# Altium PCB STM32H743VIT6_Test_B'd.PcbDoc (part 1 of 2) (continued)
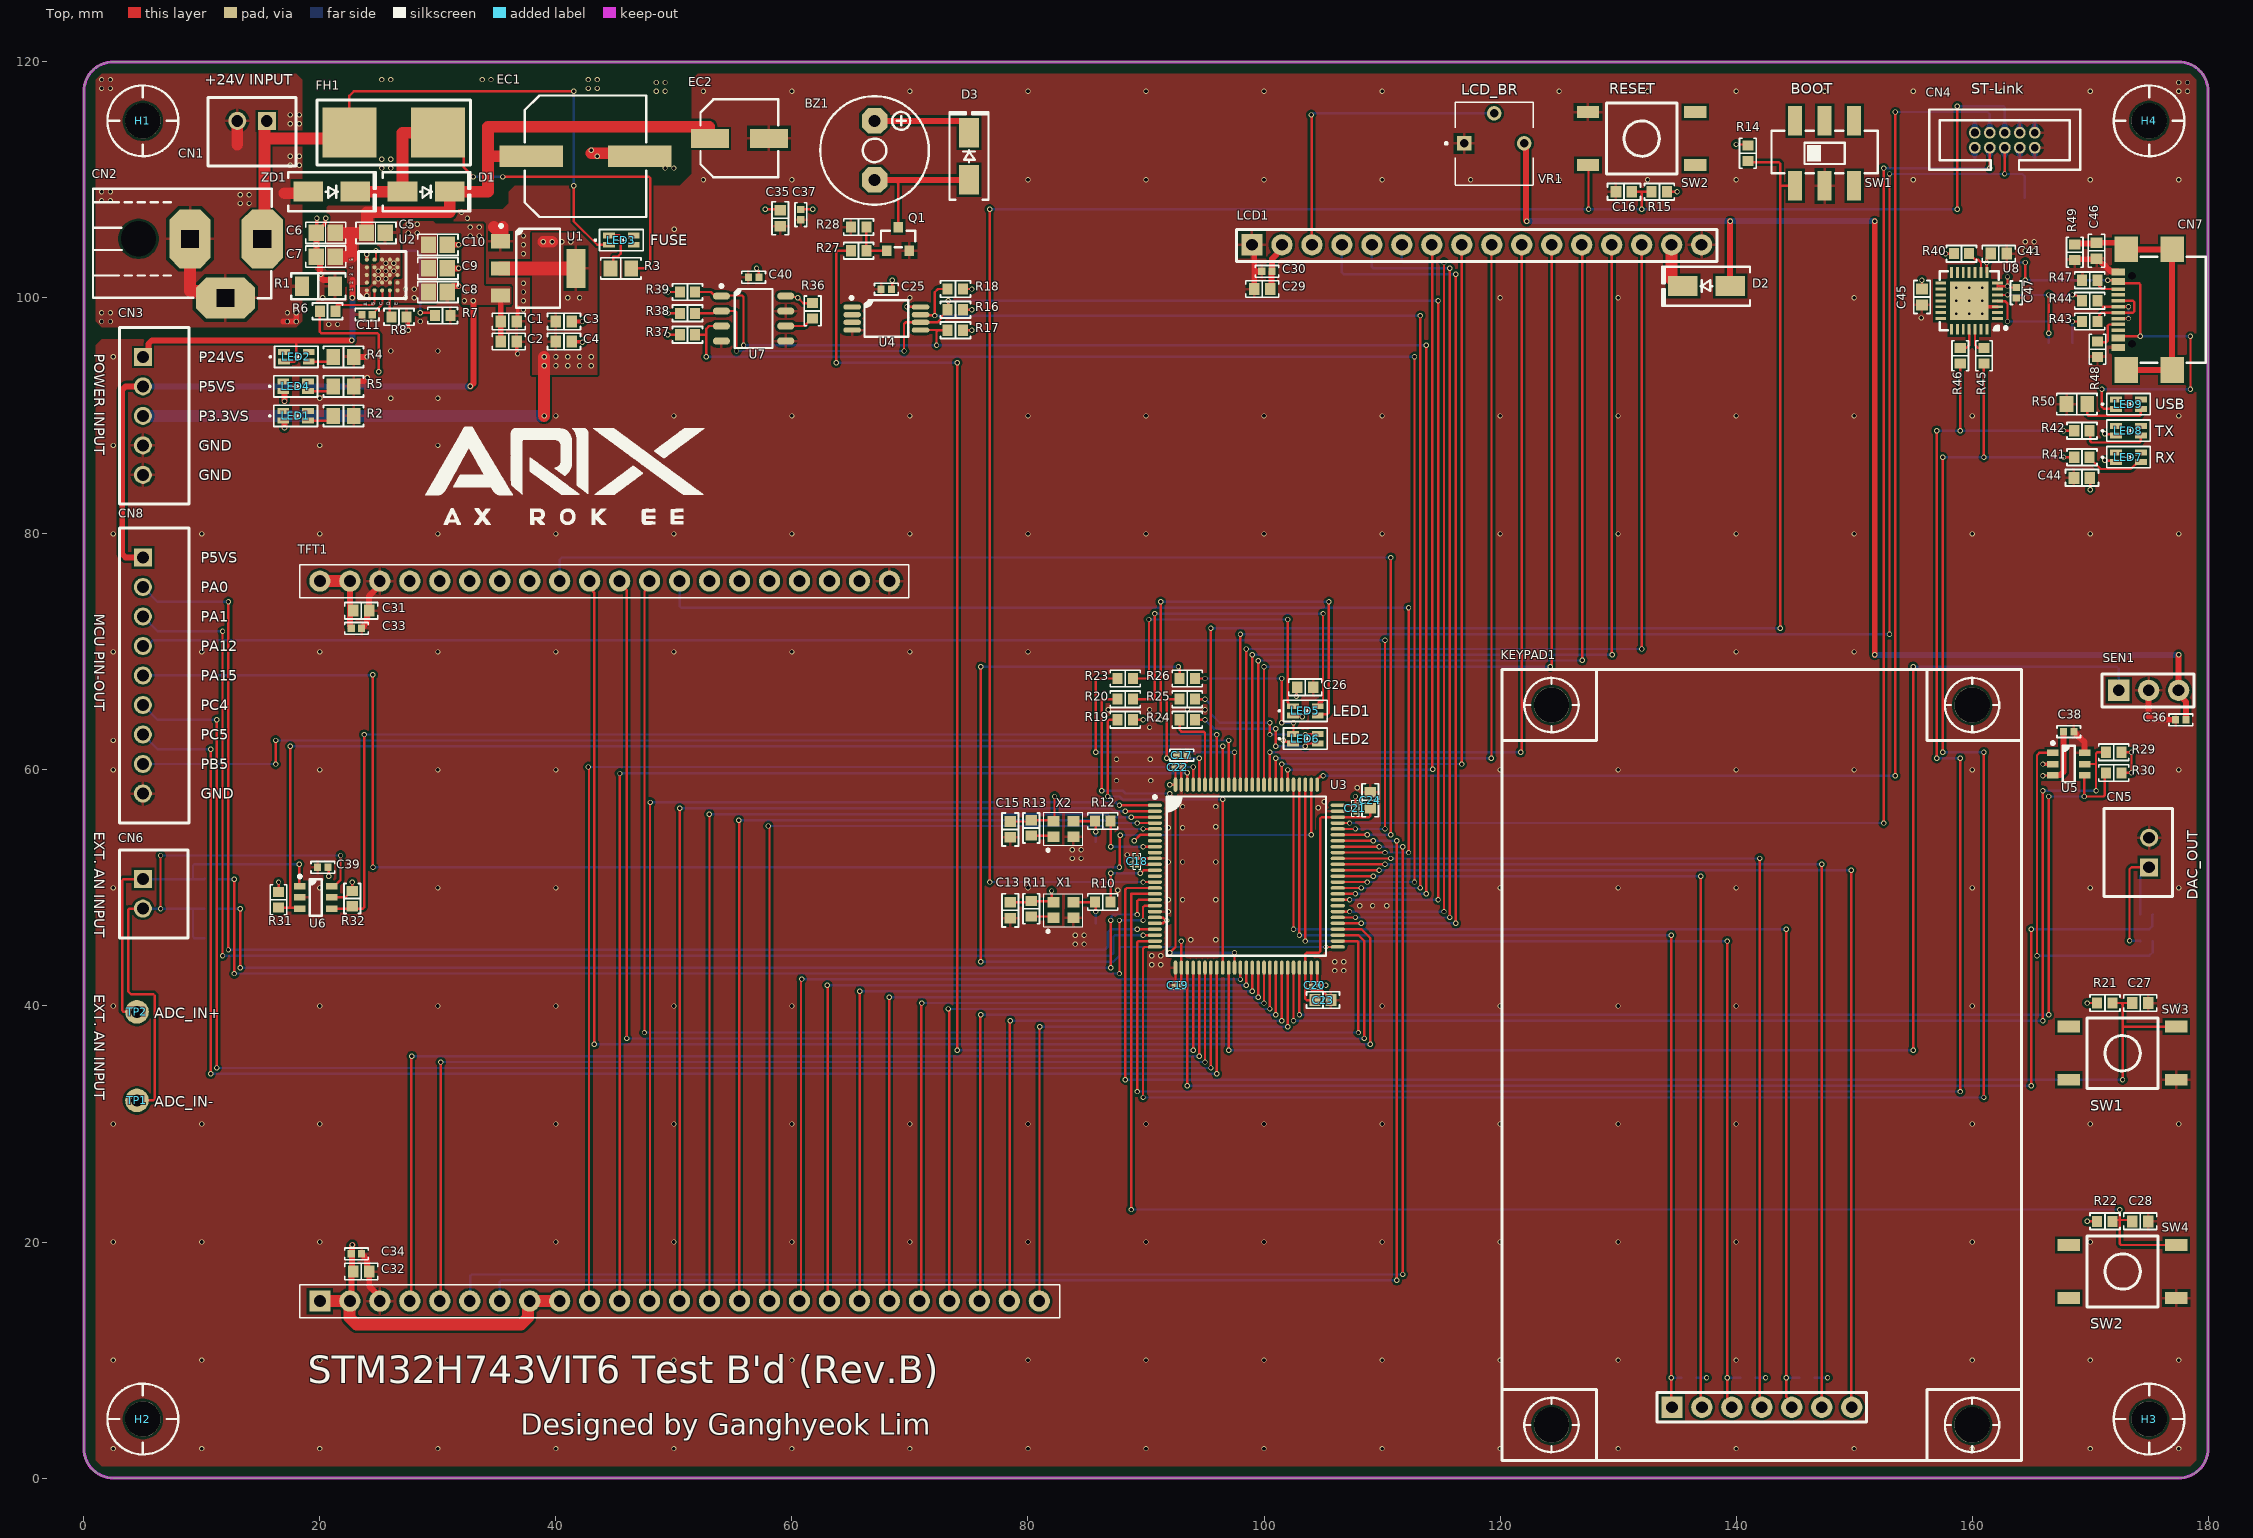
[diagram p0: Top view]
## Components (designator, comment, footprint, x,y, rotation, side; value= is the part's Value field where it differs from the comment)
BZ1 "FQ-014" "BUZ FQ-013" 67,112.5 r90 top
C1 "10uF/10V/1608" "CAP 1608 (0603_INCH)" 36,98 r180 top
C2 "100nF/50V/1608" "CAP 1608 (0603_INCH)" 36,96.3 r180 top
C3 "100nF/50V/1608" "CAP 1608 (0603_INCH)" 40.675,98 r180 top
C4 "10uF/10V/1608" "CAP 1608 (0603_INCH)" 40.675,96.3 r180 top
C5 "10uF/50V/2012" "CAP 2012 (0805_INCH)" 24.75,105.5 r180 top
C6 "2.2uF/50V/2012" "CAP 2012 (0805_INCH)" 20.5,105.5 r0 top
C7 "100nF/50V/2012" "CAP 2012 (0805_INCH)" 20.5,103.5 r0 top
C8 "100nF/50V/2012" "CAP 2012 (0805_INCH)" 30,100.5 r180 top
C9 "2.2uF/50V/2012" "CAP 2012 (0805_INCH)" 30,102.5 r180 top
C10 "10uF/50V/2012" "CAP 2012 (0805_INCH)" 30,104.5 r180 top
C11 "100nF/16V/1005" "CAP 1005 (0402_INCH)" 24,98.59 r0 top
C12 "15pF/16V/1608/NC" "CAP 1608 (0603_INCH)/NC" 85.75,46.35 r90 bottom
C13 "100nF/50V/1608" "CAP 1608 (0603_INCH)" 78.5,48.103 r90 top
C14 "15pF/16V/1608/NC" "CAP 1608 (0603_INCH)/NC" 85.737,53.254 r90 bottom
C15 "100nF/50V/1608" "CAP 1608 (0603_INCH)" 78.5,54.959 r90 top
C16 "100nF/50V/1608" "CAP 1608 (0603_INCH)" 130.5,109 r0 top
C17 "4.7uF/10V/1005" "CAP 1005 (0402_INCH)" 93.04,61.25 r180 top
C18 "100nF/25V/0603" "CAP 0603 (0201_INCH)" 89.25,52.25 r270 top
C19 "100nF/25V/0603" "CAP 0603 (0201_INCH)" 92.69,41.75 r0 top
C20 "100nF/25V/0603" "CAP 0603 (0201_INCH)" 104.31,41.75 r0 top
C21 "100nF/25V/0603" "CAP 0603 (0201_INCH)" 107.75,56.75 r90 top
C22 "100nF/25V/0603" "CAP 0603 (0201_INCH)" 92.69,60.25 r180 top
C23 "2.2uF/16V/1608" "CAP 1608 (0603_INCH)" 105,40.5 r0 top
C24 "2.2uF/16V/1608" "CAP 1608 (0603_INCH)" 109,57.425 r90 top
C25 "100nF/16V/1005" "CAP 1005 (0402_INCH)" 68,100.75 r0 top
C26 "2.2uF/16V/1608" "CAP 1608 (0603_INCH)" 103.5,67 r0 top
C27 "100nF/50V/1608" "CAP 1608 (0603_INCH)" 174.25,40.25 r180 top
C28 "100nF/50V/1608" "CAP 1608 (0603_INCH)" 174.25,21.75 r180 top
C29 "10uF/10V/1608" "CAP 1608 (0603_INCH)" 99.85,100.75 r0 top
C30 "100nF/16V/1005" "CAP 1005 (0402_INCH)" 100.25,102.25 r0 top
C31 "10uF/10V/1608" "CAP 1608 (0603_INCH)" 23.5,73.5 r180 top
C32 "10uF/10V/1608" "CAP 1608 (0603_INCH)" 23.5,17.5 r180 top
C33 "100nF/16V/1005" "CAP 1005 (0402_INCH)" 23.1,72 r180 top
C34 "100nF/16V/1005" "CAP 1005 (0402_INCH)" 23.1,19 r180 top
C35 "10uF/10V/1608" "CAP 1608 (0603_INCH)" 59,106.75 r90 top
C36 "100nF/16V/1005" "CAP 1005 (0402_INCH)" 177.69,64.25 r0 top
C37 "100nF/16V/1005" "CAP 1005 (0402_INCH)" 60.75,107.06 r90 top
C38 "100nF/16V/1005" "CAP 1005 (0402_INCH)" 168.19,63.25 r180 top
C39 "100nF/16V/1005" "CAP 1005 (0402_INCH)" 20.25,51.75 r0 top
C40 "100nF/16V/1005" "CAP 1005 (0402_INCH)" 56.75,101.75 r0 top
C41 "1uF/50V/1608" "CAP 1608 (0603_INCH)" 162.25,103.75 r180 top
C42 "15pF/16V/1608/NC" "CAP 1608 (0603_INCH)/NC" 168.5,95.5 r90 bottom
C43 "15pF/16V/1608/NC" "CAP 1608 (0603_INCH)/NC" 166.5,95.5 r90 bottom
C44 "2.2uF/16V/1608" "CAP 1608 (0603_INCH)" 169.305,84.75 r180 top
C45 "1uF/50V/1608" "CAP 1608 (0603_INCH)" 155.75,100.075 r90 top
C46 "100nF/50V/1608" "CAP 1608 (0603_INCH)" 170.545,104 r270 top
C47 "100nF/16V/1005" "CAP 1005 (0402_INCH)" 163.75,100.44 r90 top
CN1 "0353120260" "CON 0353120260 (MOLEX)" 14.25,115 r180 top
CN2 "DC_Jack" "CON DC-Jack" 15.883,99.971 r90 top
CN3 "0353120560" "CON 0353120560 (MOLEX)" 5,90 r270 top
CN4 "3220-10-0100-00" "CON 3220-10-0100-00 (Hand_Solder)" 162.77,113.365 r0 top
CN5 "0353120260" "CON 0353120260 (MOLEX)" 175,53 r90 top
CN6 "0353120260" "CON 0353120260 (MOLEX)" 5,49.5 r270 top
CN7 "MC-311S" "CON USB-Type-C (16P)" 175,99 r90 top locked
CN8 "0353120960" "CON 0353120960 (MOLEX)" 5,68 r270 top
D1 "SS34" "DIO DO-214AC (SMA)" 29,109 r0 top
D2 "M7" "DIO DO-214AC (SMA)" 137.5,101 r180 top
D3 "M7" "DIO DO-214AC (SMA)" 75,112 r90 top
EC1 "330uF/35V/10Øx10" "CAP ALSMD 10.3MM H10.5MM LEADSPANMAX12MM" 42.5,112 r0 top
EC2 "100uF/35V/6.3Øx7.7" "CAP ALSMD 6.6MM H7.7MM" 55.546,113.52 r0 top
FH1 "01550900M" "FUSE 01550900M_SMD(Hand_Solder)" 26.25,114 r0 top
H1 "NTH-3MM" "HOLE NTH-3MM" 5,115 r0 top
H2 "NTH-3MM" "HOLE NTH-3MM" 5,5 r0 top
H3 "NTH-3MM" "HOLE NTH-3MM" 175,5 r0 top locked
H4 "NTH-3MM" "HOLE NTH-3MM" 175,115 r0 top
KEYPAD1 "NT-804AN-BW" KEYPAD_NT-804AN-BW 134.56,6 r0 top locked
LCD1 "Character_LCD(1602)" LCD_CHARACTOR-1602 98.98,104.5 r0 top locked
LED1 "BLUE/2012" "LED MHT170RGBCT (BLUE)" 17.95,90 r0 top
LED2 "BLUE/2012" "LED MHT170RGBCT (BLUE)" 18,95 r0 top
LED3 "RED/2012" "LED MHT170RGBCT (RED)" 45.55,104.9 r0 top
LED4 "BLUE/2012" "LED MHT170RGBCT (BLUE)" 17.95,92.5 r0 top
LED5 "RGB/2012" "LED MHT170RGBCT" 103.5,65 r0 top
LED6 "RGB/2012" "LED MHT170RGBCT" 103.5,62.65 r0 top
LED7 "BLUE/2012" "LED MHT170RGBCT (BLUE)" 173.25,86.5 r0 top
LED8 "BLUE/2012" "LED MHT170RGBCT (BLUE)" 173.25,88.75 r0 top
LED9 "BLUE/2012" "LED MHT170RGBCT (BLUE)" 173.25,91 r0 top
Q1 "MMBT3904" "SOT 23-3 (DIODES INCORPORATED)" 69,105 r90 top
R1 "0R/3216" "RES 3216 (1206_inch)" 19.875,101 r0 top
R2 "330R/2012" "RES 2012 (0805_inch)" 22,90 r180 top value=330R
R3 "4.7K/2012" "RES 2012 (0805_inch)" 45.5,102.5 r0 top value=4.7K
R4 "4.7K/2012" "RES 2012 (0805_inch)" 22,95 r180 top value=4.7K
R5 "680R/2012" "RES 2012 (0805_inch)" 22,92.5 r0 top value=680R
R6 "100K/1608" "RES 1608 (0603_inch)" 20.655,98.861 r180 top value=100K
R7 "25.5K/1608" "RES 1608 (0603_inch)" 30.4,98.5 r180 top value=25.5K
R8 "45.3K/1608" "RES 1608 (0603_inch)" 26.701,98.39 r180 top value=45.3K
R10 "0R/1608" "RES 1608 (0603_inch)" 86.337,48.803 r180 top value=0R
R11 "0R/1608" "RES 1608 (0603_inch)" 80.28,48.233 r90 top value=0R
R12 "0R/1608" "RES 1608 (0603_inch)" 86.337,55.675 r180 top value=0R
R13 "0R/1608" "RES 1608 (0603_inch)" 80.28,55.089 r90 top value=0R
R14 "100K/1608" "RES 1608 (0603_inch)" 141,112.25 r90 top value=100K
R15 "100K/1608" "RES 1608 (0603_inch)" 133.5,109 r0 top value=100K
R16 "4.7K/1608" "RES 1608 (0603_inch)" 73.85,99 r0 top value=4.7K
R17 "4.7K/1608" "RES 1608 (0603_inch)" 73.85,97.25 r0 top value=4.7K
R18 "4.7K/1608" "RES 1608 (0603_inch)" 73.85,100.75 r0 top value=4.7K
R19 "470R/1608" "RES 1608 (0603_inch)" 88.25,64.25 r180 top value=470R
R20 "470R/1608" "RES 1608 (0603_inch)" 88.25,66 r180 top value=470R
R21 "100K/1608" "RES 1608 (0603_inch)" 171.25,40.25 r180 top value=100K
R22 "100K/1608" "RES 1608 (0603_inch)" 171.25,21.75 r180 top value=100K
R23 "470R/1608" "RES 1608 (0603_inch)" 88.25,67.75 r180 top value=470R
R24 "470R/1608" "RES 1608 (0603_inch)" 93.5,64.25 r180 top value=470R
R25 "470R/1608" "RES 1608 (0603_inch)" 93.5,66 r180 top value=470R
R26 "470R/1608" "RES 1608 (0603_inch)" 93.5,67.75 r180 top value=470R
R27 "1K/1608" "RES 1608 (0603_inch)" 65.65,104 r180 top value=1K
R28 "4.7K/1608" "RES 1608 (0603_inch)" 65.65,106 r0 top value=4.7K
R29 "4.7K/1608" "RES 1608 (0603_inch)" 172,61.5 r0 top value=4.7K
R30 "4.7K/1608" "RES 1608 (0603_inch)" 172,59.75 r0 top value=4.7K
R31 "4.7K/1608" "RES 1608 (0603_inch)" 16.5,49 r90 top value=4.7K
R32 "4.7K/1608" "RES 1608 (0603_inch)" 22.75,49.1 r90 top value=4.7K
R33 "4.7K/1608/NC" "RES 1608 (0603_inch)/NC" 141,8.5 r180 bottom value=4.7K
R34 "4.7K/1608/NC" "RES 1608 (0603_inch)/NC" 136,8.5 r180 bottom value=4.7K
R35 "4.7K/1608/NC" "RES 1608 (0603_inch)/NC" 146,8.5 r180 bottom value=4.7K
R36 "0R/1608" "RES 1608 (0603_inch)" 61.75,98.9 r90 top value=0R
R37 "10K/1608" "RES 1608 (0603_inch)" 51.15,96.87 r180 top value=10K
R38 "4.7K/1608/NC" "RES 1608 (0603_inch)/NC" 51.15,98.689 r180 top value=4.7K
R39 "4.7K/1608/NC" "RES 1608 (0603_inch)/NC" 51.15,100.5 r180 top value=4.7K
R40 "4.7K/1608" "RES 1608 (0603_inch)" 159.1,103.75 r0 top value=4.7K
R41 "330R/1608" "RES 1608 (0603_inch)" 169.305,86.5 r0 top value=330R
R42 "330R/1608" "RES 1608 (0603_inch)" 169.305,88.75 r0 top value=330R
R43 "0R/1608" "RES 1608 (0603_inch)" 169.975,98 r180 top value=0R
R44 "0R/1608" "RES 1608 (0603_inch)" 169.975,99.75 r180 top value=0R
R45 "0R/1608" "RES 1608 (0603_inch)" 161,95.1 r270 top value=0R
R46 "0R/1608" "RES 1608 (0603_inch)" 159,95.1 r270 top value=0R
R47 "5.1K/1608" "RES 1608 (0603_inch)" 169.975,101.5 r0 top value=5.1K
R48 "5.1K/1608" "RES 1608 (0603_inch)" 170.625,95.65 r90 top value=5.1K
R49 "1M/1608/0.1W" "RES 1608 (0603_inch)" 168.695,103.87 r270 top value=1M
R50 "680R/2012" "RES 2012 (0805_inch)" 168.875,91 r0 top value=680R
SB1 "SB" "SB (Solder-Bridge)" 164.975,108.5 r0 bottom
SB2 "SB" "SB (Solder-Bridge)" 174.775,47.75 r180 bottom
SB3 "SB" "SB (Solder-Bridge)" 10.725,45.75 r180 bottom
SB4 "SB" "SB (Solder-Bridge)" 10.725,50.75 r0 bottom
SB5 "SB" "SB (Solder-Bridge)" 10.725,48.25 r0 bottom
SB6 "SB" "SB (Solder-Bridge)" 174.775,45.5 r180 bottom
SEN1 "LTOP-ML38ATH" SEN_IR-LTOP-ML38ATH 172.42,66.75 r0 top
SW1 "YSS-1201S(2mm)_2P" "SW YSS-1201S-2mm" 147.5,112.25 r0 top
SW2 "TACT_SW" "SW K2-1102SP-C4SC-04" 132,113.5 r0 top
SW3 "TACT_SW" "SW K2-1102SP-C4SC-04" 172.75,36 r180 top
SW4 "TACT_SW" "SW K2-1102SP-C4SC-04" 172.75,17.5 r180 top
TFT1 "TFT-32A" LCD_TFT-32A 20,15 r0 top locked
TP1 "TP_HOLE(1MM)" TP_HOLE(1MM)#1 4.5,32 r0 top
TP2 "TP_HOLE(1MM)" TP_HOLE(1MM)#2 4.5,43 r0 top
U1 "AMS1117-3.3" "SOT 223-3 (DIODES INCORPORATED)" 38.5,102.5 r0 top
U2 "LTM8074IY#PBF" IC_BGA-25 25.276,101.94 r0 top locked
U3 "STM32H743VIT6" "LQFP-100_14x14MM (ST)" 98.5,51 r0 top locked
U4 "AT24C16" "TSSOP-8_PW (TI)" 68,98.25 r0 top
U5 "MCP4725A1T-E/CH" "SOT-23-6 (TI DBV PACKAGE)" 168.19,60.5 r0 top
U6 "ADS1100A0IDBVR" "SOT-23-6 (TI DBV PACKAGE)" 19.65,49.2 r0 top
U7 "LM75AD" "SOIC-8 150mil Wide (MICRO CHIP)" 56.75,98.25 r0 top
U8 "CP2102-GMR" "QFN-28 (5x5mm)" 159.75,99.75 r180 top
VR1 "3362P-1-103LF" VR_3362P-1-103LF 119.5,113.093 r0 top
X1 "S2D12.000000B20F30T(12MHz)" "OSC SMD_2.5x2.0 (SCTF)" 83,48.128 r0 top
X2 "S2D32.768KB20F30T(32.768kHz)" "OSC SMD_2.5x2.0 (SCTF)" 83,55 r0 top
ZD1 "SMAJ24A" "DIO DO-214AC (SMA)" 21,109 r0 top

## Footprints (in the part's own frame and the unit in brackets; to place one, negate y for a bottom-side part, rotate by r counter-clockwise, add the part's x,y. Pads: shape width x height; smd on the part's side, far side on the other; paste and mask are expansions set on the pad)
"BUZ FQ-013" [mm]
  oct 2.159x2.159 hole 1: 1(2.5,0) 2(-2.5,0)
  silkscreen extent -4.6,-4.6 4.6,4.6, body extent -6,-6 9.45,6, height 9.67
"CAP 0603 (0201_INCH)" [mm] "Chip Capacitor, 2-Leads, Body 0.60x0.30mm, IPC Medium Density"
  rect 0.4x0.35 smd mask+0.04: 1(-0.31,0) 2(0.31,0)
  silkscreen extent -0.67,-0.33 0.67,0.33, body extent -0.3,-0.15 0.3,0.15, height 0.3
"CAP 1005 (0402_INCH)" [mm] "Chip Capacitor, 2-Leads, Body 1.02x0.51mm, IPC Medium Density"
  rect 0.6x0.64 smd mask+0.04: 1(-0.44,0) 2(0.44,0)
  silkscreen extent -1,-0.5 1,0.5, body extent -0.5,-0.26 0.5,0.26, height 0.52
"CAP 1608 (0603_INCH)" [mm] "Chip Capacitor, 2-Leads, Body 1.60x0.80mm, IPC Medium Density"
  rect 0.9x1 smd mask+0.04: 1(-0.675,0) 2(0.675,0)
  silkscreen extent -1.4,-0.7 1.4,0.7, body extent -0.8,-0.41 0.8,0.41, height 0.82
"CAP 1608 (0603_INCH)/NC" [mm] "Chip Capacitor, 2-Leads, Body 1.60x0.80mm, IPC Medium Density"
  rect 0.9x1 smd: 1(-0.675,0) 2(0.675,0)
  silkscreen extent -1.4,-0.7 1.4,0.7
"CAP 2012 (0805_INCH)" [mm] "Chip Capacitor, 2-Leads, Body 2.00x1.20mm, IPC Medium Density"
  rect 1.3x1.4 smd mask+0.04: 1(-0.8,0) 2(0.8,0)
  silkscreen extent -1.7,-0.9 1.7,0.9, body extent -1,-0.64 1,0.64, height 1.26
"CAP ALSMD 6.6MM H7.7MM" [mm] "Aluminum Electrolytic Capacitor, Body 6.60x6.60x7.70mm, IPC Low Density"
  rect 3.2x1.6 smd: 1(-2.5,0) 2(2.5,0)
  silkscreen extent -3.3,-3.3 3.3,3.3, body extent -3.6,-3.3 3.6,3.3, height 7.7
"CAP ALSMD 10.3MM H10.5MM LEADSPANMAX12MM" [mm] "Aluminum SMD Electrolytic Capacitor, 10.30mm Land Size, 10.00mm Diameter, 10.50mm Height, 12.00mm Maximum Leads Span"
  rect 5.4x1.8 smd: 1(-4.6,0) 2(4.6,0)
  silkscreen extent -5.15,-5.15 5.15,5.15, body extent -6,-5.15 6,5.15, height 10.5
"CON 3220-10-0100-00 (Hand_Solder)" [mm] "CONN HEADER VERT 10POS 1.27MM (Hand_Solder)"
  round 1 hole 0.65 mask+0.04: 1(-2.54,-0.635) 2(-2.54,0.635) 3(-1.27,-0.635) 4(-1.27,0.635) 5(0,-0.635) 6(0,0.635) 7(1.27,-0.635) 8(1.27,0.635) 9(2.54,-0.635) 10(2.54,0.635)
  Bottom region: -2.05,-0.6 -3.05,-0.6 -2.55,-1.8
  Bottom region: -3.04,0.6 -2.04,0.6 -2.54,1.8
  Bottom region: -1.77,0.6 -0.77,0.6 -1.27,1.8
  Bottom region: -0.5,0.6 0.5,0.6 0,1.8
  Bottom region: 0.77,0.6 1.77,0.6 1.27,1.8
  Bottom region: 2.04,0.6 3.04,0.6 2.54,1.8
  Bottom region: -0.77,-0.6 -1.77,-0.6 -1.27,-1.8
  Bottom region: 0.5,-0.6 -0.5,-0.6 0,-1.8
  Bottom region: 1.77,-0.6 0.77,-0.6 1.27,-1.8
  Bottom region: 3.04,-0.6 2.04,-0.6 2.54,-1.8
  silkscreen extent -6.4,-2.5 6.4,2.6, body extent -6.32,-2.58 6.32,2.55, height 5.4
"CON 0353120260 (MOLEX)" [mm] "CONN HEADER VERT 2POS 2.5MM"
  rect 1.524x1.524 hole 1: 1(-1.25,0)
  round 1.524 hole 1: 2(1.25,0)
  silkscreen extent -3.72,-2 3.72,3.83, body extent -3.73,-2.65 3.73,3.85, height 7.08
"CON 0353120560 (MOLEX)" [mil] "CONN HEADER VERT 5POS 2.5MM"
  rect 60x60 hole 39.37: 1(-196.85,0)
  round 60 hole 39.37: 2(-98.43,0) 3(0,0) 4(98.43,0) 5(196.85,0)
  silkscreen extent -294,-79 294,154, body extent -294,-104 294,152, height 279
"CON 0353120960 (MOLEX)" [mil] "CONN HEADER VERT 9POS 2.5MM"
  rect 60x60 hole 39.37: 1(-393.7,0)
  round 60 hole 39.37: 2(-295.28,0) 3(-196.85,0) 4(-98.43,0) 5(0,0) 6(98.43,0) 7(196.85,0) 8(295.28,0) 9(393.7,0)
  silkscreen extent -492,-79 492,154, body extent -491,-104 491,152, height 279
"CON DC-Jack" [mm]
  round 0 hole 3: 0(5.029,11.252)
  oct 5x3.5 hole 1.5 square: 1(5.029,0.762) 3(5.029,6.883)
  oct 3.5x5 hole 1.5 square: 2(0.025,3.886)
  silkscreen extent 0,-0.03 9.28,15.12, body extent -0.05,-0.03 9.35,15.17, height 11.02
"CON USB-Type-C (16P)" [mm] "USB 2.0 5A 1 Surface Mount 16 Female -35℃~+75℃ Type-C SMD  USB Connectors ROHS"
  round 0 hole 0.65: 0(-2.89,1.45) 0(2.89,1.45)
  rect 0.6x1.15 smd mask+0.03: A1(-3.2,2.6) A4(-2.4,2.6) B1(3.2,2.6) B4(2.4,2.6)
  rect 0.3x1.15 smd mask+0.03: A5(-1.25,2.6) A6(-0.25,2.6) A7(0.25,2.6) A8(1.25,2.6) B5(1.75,2.6) B6(0.75,2.6) B7(-0.75,2.6) B8(-1.75,2.6)
  rect 2.18x2 smd mask+0.03: S1(-5.11,1.95) S2(-5.11,-1.95) S3(5.11,-1.95) S4(5.11,1.95)
  silkscreen extent -4.5,-4.8 4.5,0.7, body extent -5.65,-4.83 5.65,2.87, height 3.26
"DIO DO-214AC (SMA)" [mm] "Molded Diode, 2-Leads, Body 4.30x2.60mm, IPC Medium Density"
  rect 2.5x1.7 smd: 1(-2,0) 2(2,0)
  silkscreen extent -3.68,-1.65 3.75,1.65, body extent -2.6,-1.37 2.6,1.37, height 2.4
"FUSE 01550900M_SMD(Hand_Solder)" [mm] "Fuse Holder (Hand Solder)"
  rect 4.6x4.24 smd: 1(-3.75,0) 2(3.75,0)
  silkscreen extent -6.5,-2.75 6.5,2.75, body extent -4.85,-2.54 4.85,2.46, height 3.74
"HOLE NTH-3MM" [mm] "NON-THROUGH HOLE 3MM"
  round 3 hole 3: 1(0,0)
  silkscreen extent -3,-3 3,3
IC_BGA-25 [mm] "BGA Package  25-Lead (4mm × 4mm × 1.82mm)"
  round 0.35 smd mask+0.05: A1(-1.3,-1.3) A2(-1.3,-0.65) A3(-1.3,0) A4(-1.3,0.65) A5(-1.3,1.3) B1(-0.65,-1.3) B2(-0.65,-0.65) B3(-0.65,0) B4(-0.65,0.65) B5(-0.65,1.3) C1(0,-1.3) C2(0,-0.65) C3(0,0) C4(0,0.65) C5(0,1.3) D1(0.65,-1.3) D2(0.65,-0.65) D3(0.65,0) D4(0.65,0.65) D5(0.65,1.3) E1(1.3,-1.3) E2(1.3,-0.65) E3(1.3,0) E4(1.3,0.65) E5(1.3,1.3)
  silkscreen extent -2,-2 2,2, body extent -1.99,-1.99 1.99,1.99, height 1.98
KEYPAD_NT-804AN-BW [mm] "KEYPAD 4*3 (Row : 4, Col : 3)"
  rect 1.8x1.8 hole 1: 1(0,0)
  round 1.8 hole 1: 2(2.54,0) 3(5.08,0) 4(7.62,0) 5(10.16,0) 6(12.7,0) 7(15.24,0)
  round 3 hole 3: H1(-10.2,59.5) H2(-10.2,-1.5) H3(25.44,-1.5) H4(25.44,59.5)
  silkscreen extent -14.39,-4.5 29.62,62.5
LCD_CHARACTOR-1602 [mm]
  rect 1.8x1.8 hole 1: 1(0,0)
  round 1.8 hole 1: 2(2.54,0) 3(5.08,0) 4(7.62,0) 5(10.16,0) 6(12.7,0) 7(15.24,0) 8(17.78,0) 9(20.32,0) 10(22.86,0) 11(25.4,0) 12(27.94,0) 13(30.48,0) 14(33.02,0) 15(35.56,0) 16(38.1,0)
  silkscreen extent -1.3,-1.4 39.4,1.3, body extent -8,-33.92 72,2.08, height 19.05
LCD_TFT-32A [mm] "TFT-32A"
  rect 1.8x1.8 hole 1: 1(0,0)
  round 1.8 hole 1: 2(2.54,0) 3(5.08,0) 4(7.62,0) 5(10.16,0) 6(12.7,0) 7(15.24,0) 8(17.78,0) 9(20.32,0) 10(22.86,0) 11(25.4,0) 12(27.94,0) 13(30.48,0) 14(33.02,0) 15(35.56,0) 16(38.1,0) 17(40.64,0) 18(43.18,0) 19(45.72,0) 20(48.26,0) 21(50.8,0) 22(53.34,0) 23(55.88,0) 24(58.42,0) 25(60.96,0) 26(0,61) 27(2.54,61) 28(5.08,61) 29(7.62,61) 30(10.16,61) 31(12.7,61) 32(15.24,61) 33(17.78,61) 34(20.32,61) 35(22.86,61) 36(25.4,61) 37(27.94,61) 38(30.48,61) 39(33.02,61) 40(35.56,61) 41(38.1,61) 42(40.64,61) 43(43.18,61) 44(45.72,61) 45(48.26,61)
  silkscreen extent -1.7,-1.4 62.7,62.4, body extent -1.55,-1.25 62.5,62.25, height 8.51
"LED MHT170RGBCT" [mm] "Colorless transparence -30℃~+85℃ Positive post Common anode RGB 120° 0805  Light Emitting Diodes (LED) ROHS"
  rect 1x0.5 smd mask+0.04: 1(-1.05,0.4) 2(1.05,0.4) 3(1.05,-0.4) 4(-1.05,-0.4)
  silkscreen extent -2.25,-0.9 1.85,0.9, body extent -1,-0.62 1,0.62, height 0.9
"LED MHT170RGBCT (BLUE)" [mm] "Colorless transparence -30℃~+85℃ Positive post Common anode RGB 120° 0805  Light Emitting Diodes (LED) ROHS"
  rect 1x0.5 smd mask+0.04: 1(-1.05,0.4) 2(1.05,0.4) 3(1.05,-0.4) 4(-1.05,-0.4)
  silkscreen extent -2.25,-0.9 1.85,0.9, body extent -1,-0.62 1,0.62, height 0.9
"LED MHT170RGBCT (RED)" [mm] "Colorless transparence -30℃~+85℃ Positive post Common anode RGB 120° 0805  Light Emitting Diodes (LED) ROHS"
  rect 1x0.5 smd mask+0.04: 1(-1.05,0.4) 2(1.05,0.4) 3(1.05,-0.4) 4(-1.05,-0.4)
  silkscreen extent -2.25,-0.9 1.85,0.9, body extent -1,-0.62 1,0.62, height 0.9
"LQFP-100_14x14MM (ST)" [mm] "Thin QFP, 100-Leads, Body 14x14mm, Pitch 0.5mm, ST Recommended"
  oval 1.2x0.3 smd: 1(-7.75,6) 2(-7.75,5.5) 3(-7.75,5) 4(-7.75,4.5) 5(-7.75,4) 6(-7.75,3.5) 7(-7.75,3) 8(-7.75,2.5) 9(-7.75,2) 10(-7.75,1.5) 11(-7.75,1) 12(-7.75,0.5) 13(-7.75,0) 14(-7.75,-0.5) 15(-7.75,-1) 16(-7.75,-1.5) 17(-7.75,-2) 18(-7.75,-2.5) 19(-7.75,-3) 20(-7.75,-3.5) 21(-7.75,-4) 22(-7.75,-4.5) 23(-7.75,-5) 24(-7.75,-5.5) 25(-7.75,-6) 51(7.75,-6) 52(7.75,-5.5) 53(7.75,-5) 54(7.75,-4.5) 55(7.75,-4) 56(7.75,-3.5) 57(7.75,-3) 58(7.75,-2.5) 59(7.75,-2) 60(7.75,-1.5) 61(7.75,-1) 62(7.75,-0.5) 63(7.75,0) 64(7.75,0.5) 65(7.75,1) 66(7.75,1.5) 67(7.75,2) 68(7.75,2.5) 69(7.75,3) 70(7.75,3.5) 71(7.75,4) 72(7.75,4.5) 73(7.75,5) 74(7.75,5.5) 75(7.75,6)
  oval 0.3x1.2 smd: 26(-6,-7.75) 27(-5.5,-7.75) 28(-5,-7.75) 29(-4.5,-7.75) 30(-4,-7.75) 31(-3.5,-7.75) 32(-3,-7.75) 33(-2.5,-7.75) 34(-2,-7.75) 35(-1.5,-7.75) 36(-1,-7.75) 37(-0.5,-7.75) 38(0,-7.75) 39(0.5,-7.75) 40(1,-7.75) 41(1.5,-7.75) 42(2,-7.75) 43(2.5,-7.75) 44(3,-7.75) 45(3.5,-7.75) 46(4,-7.75) 47(4.5,-7.75) 48(5,-7.75) 49(5.5,-7.75) 50(6,-7.75) 76(6,7.75) 77(5.5,7.75) 78(5,7.75) 79(4.5,7.75) 80(4,7.75) 81(3.5,7.75) 82(3,7.75) 83(2.5,7.75) 84(2,7.75) 85(1.5,7.75) 86(1,7.75) 87(0.5,7.75) 88(0,7.75) 89(-0.5,7.75) 90(-1,7.75) 91(-1.5,7.75) 92(-2,7.75) 93(-2.5,7.75) 94(-3,7.75) 95(-3.5,7.75) 96(-4,7.75) 97(-4.5,7.75) 98(-5,7.75) 99(-5.5,7.75) 100(-6,7.75)